# Altium PCB VESC_DEVICE_75100.PcbDoc (part 1 of 3) (continued)
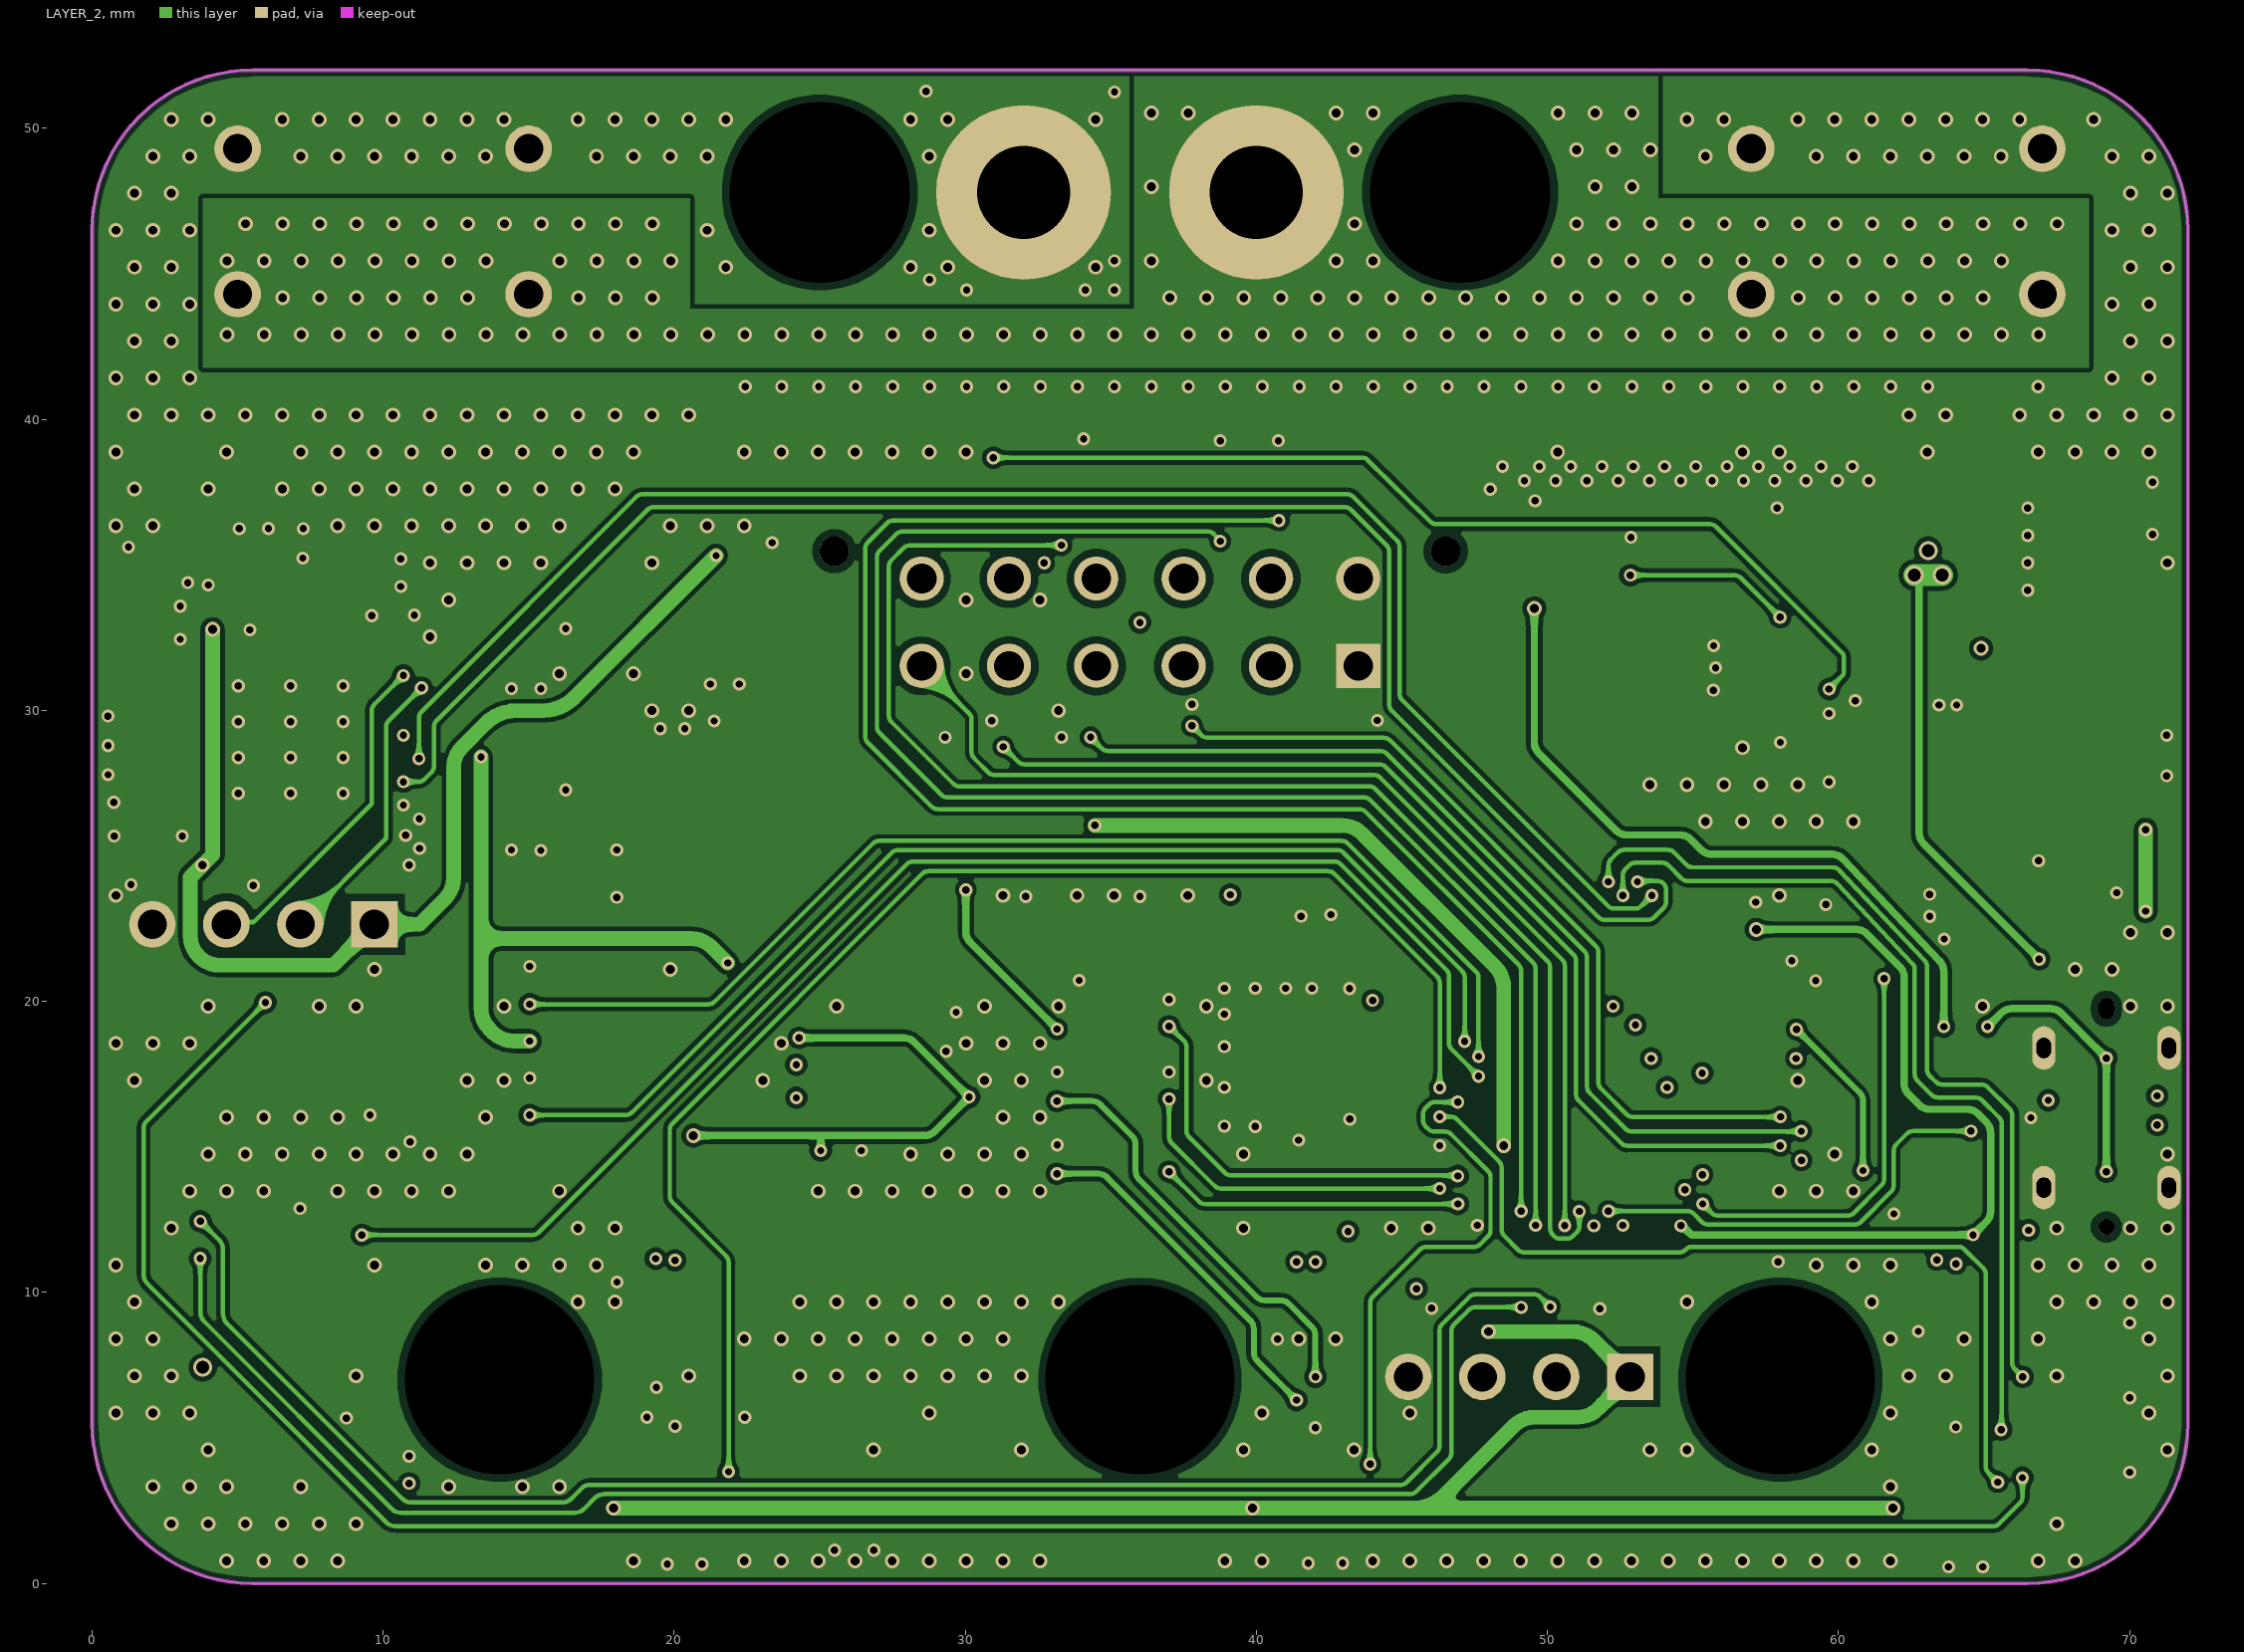
[diagram p3: LAYER_2]
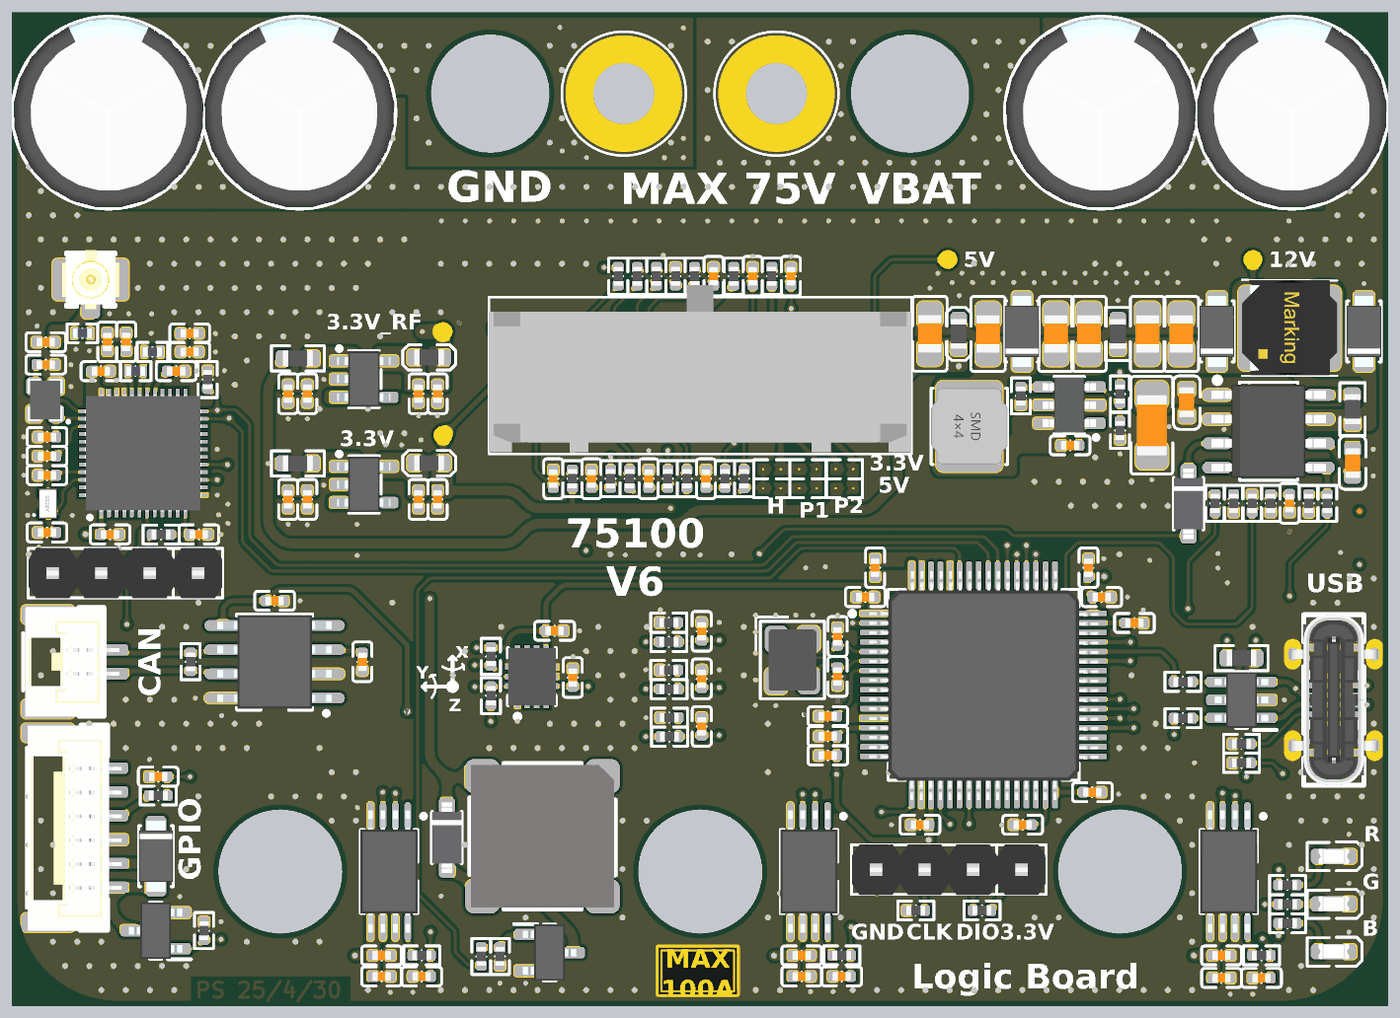
[diagram p6: 3D render of the assembled board from above, using the file's embedded part models]
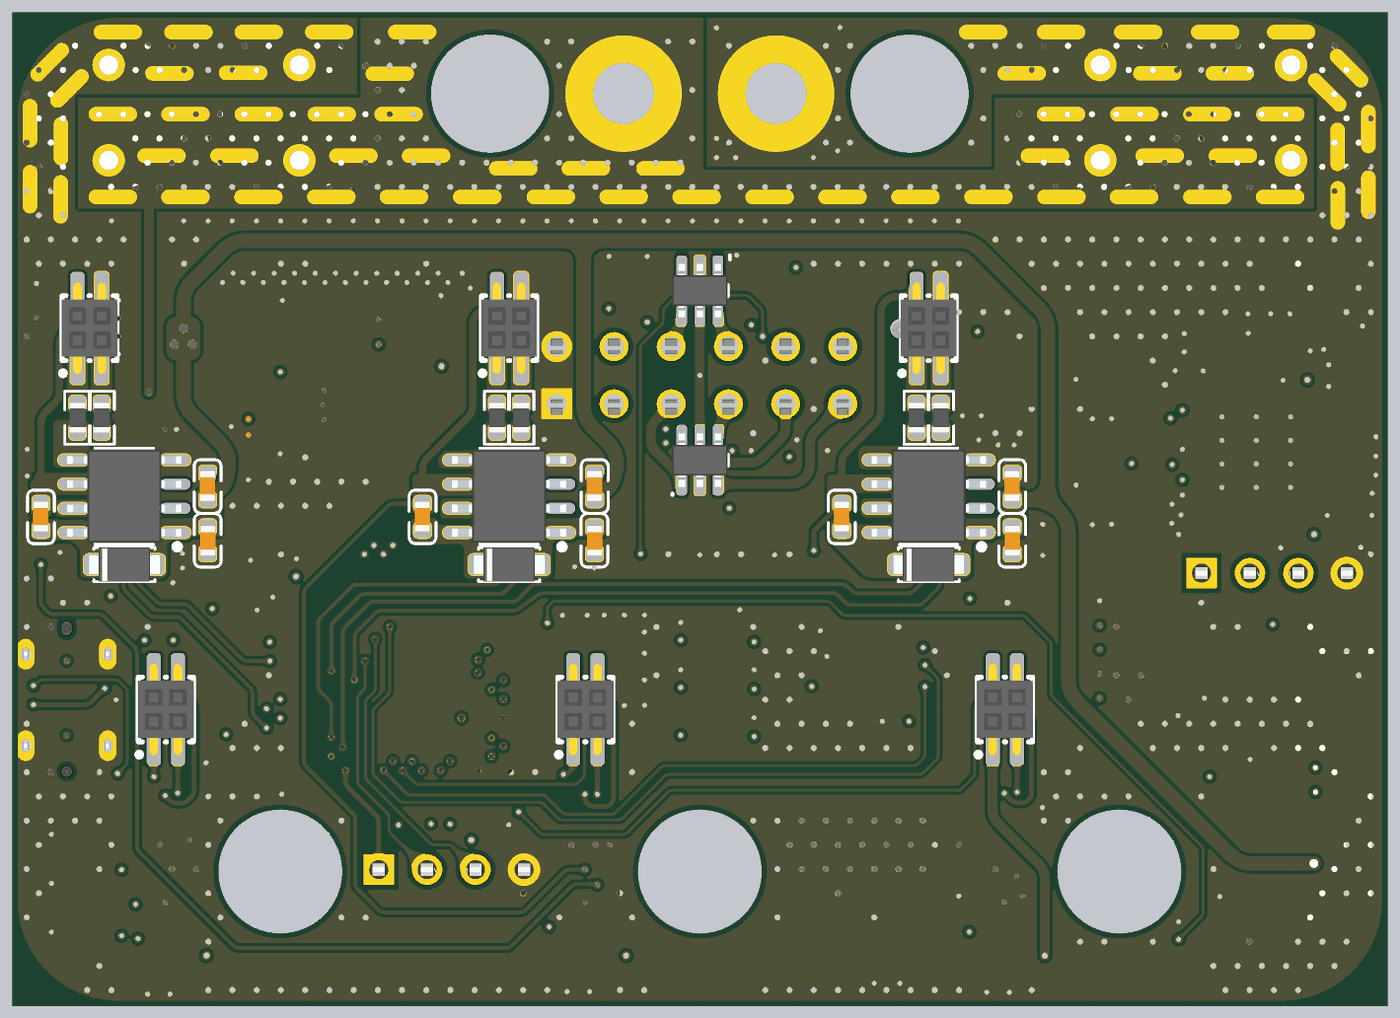
[diagram p7: 3D render of the assembled board from below, using the file's embedded part models]

## Layer stack, top to bottom
Top Solder: solder mask 0.0102, Solder Resist, Dk 3.5
TOP: signal copper 0.0305
Dielectric 1: core 0.2032, FR-4, Dk 4.5
LAYER_1: signal copper 0.0305
Dielectric2: core 1.05, Core-042, Dk 4.6
LAYER_2: signal copper 0.0305
Dielectric3: core 0.2032, FR-4, Dk 4.5
BOTTOM: signal copper 0.0305
Bottom Solder: solder mask 0.0102, Solder Resist, Dk 3.5

## Board outline
0,5.5 0,46.5 cw(c5.5,46.5) 5.5,52 66.5,52 cw(c66.5,46.5) 72,46.5 72,5.5 cw(c66.5,5.5) 66.5,0 5.5,0 cw(c5.5,5.5)

## Design rules (kind name [scope] priority, off if disabled: settings)
BoardOutlineClearance [All] p1: gap=0.254 ignorepadtopadclearanceinfootprint=FALSE except(0: Arc-SplitContinuation Track-SplitContinuation SMDPad-SplitContinuation THPad-SplitContinuation Via-SplitContinuation Fill-SplitContinuation Poly-SplitContinuation Region-SplitContinuation Text-SplitContinuation; 0.051: Arc-OutlineEdge Track-OutlineEdge SMDPad-OutlineEdge THPad-OutlineEdge Via-OutlineEdge Fill-OutlineEdge Poly-OutlineEdge Region-OutlineEdge Text-OutlineEdge)
Clearance Clearance_1 [All vs (OnLayer('BOTTOM') AND InNamedPolygon('PGND_L04_P058') AND InNamedPolygon('PGND_L04_P058'))] p1: gap=0.152 ignorepadtopadclearanceinfootprint=FALSE
Clearance [All] p2: gap=0.152 ignorepadtopadclearanceinfootprint=FALSE except(0.254: THPad-Fill THPad-Poly THPad-Region Fill-Hole Poly-Hole Region-Hole)
HoleSize [All] p1: absolutevalues=TRUE maxlimit=25.4 minlimit=0.025 maxpercent=80.000 minpercent=20.000
MinimumSolderMaskSliver [All] p1: minsoldermaskwidth=0.051
PlaneConnect [All] p1: planeconnectstyle=Direct reliefexpansion=0.508 reliefentries=4 reliefconductorwidth=0.254 reliefairgap=0.254
PolygonConnect [All] p1: connectstyle=Direct reliefconductorwidth=0.254 reliefentries=4 polygonreliefangle="90 Angle" airgapwidth=0.254
RoutingVias [All] p1: holewidth=0.25 width=0.45 viastyle="Through Hole" minholewidth=0.25 minwidth=0.45 maxholewidth=0.711 maxwidth=1.27
ShortCircuit ShortCircuit_1 [InComponent('JP1','JP2')] p1: allowed=TRUE
ShortCircuit [All] p2: allowed=FALSE
SilkToSilkClearance [All] p1: silktosilkclearance=0.051
SilkToSolderMaskClearance [IsPad] p1: minsilkscreentomaskgap=0.025 clearancetoexposedcopper=TRUE
SolderMaskExpansion [All] p1: expansion=0.051 istentingtop=FALSE
SupplyNets "Schematic Supply Nets_4" [InNet('SHC_G')] p1: voltage=0.000
SupplyNets "Schematic Supply Nets_13" [InNet('SHB_G')] p2: voltage=0.000
SupplyNets "Schematic Supply Nets_12" [InNet('SHA_G')] p3: voltage=0.000
SupplyNets "Schematic Supply Nets_10" [InNet('VBAT')] p4: voltage=0.000
SupplyNets "Schematic Supply Nets_7" [InNet('GND')] p5: voltage=0.000
SupplyNets "Schematic Supply Nets_6" [InNet('3V3_RF')] p6: voltage=0.000
SupplyNets "Schematic Supply Nets_5" [InNet('5V')] p7: voltage=0.000
SupplyNets "Schematic Supply Nets_2" [InNet('12V')] p8: voltage=0.000
SupplyNets "Schematic Supply Nets" [InNet('3V3')] p9: voltage=0.000
Width [All] p1: maxlimit=2.54 minlimit=0.152 preferedwidth=0.254
24 further rules are at their usual default settings.

## Classes and differential pairs
component class Buzzer: D14 Q2 R61 R66 U16
component class BMI160: C73 C74 R34 R35 U13
component class I&O: C75 C76 C77 C78 C79 C80 C81 C82 C83 D11 D12 D13 J9 J10 J11 J12 Q1 R39 R42 R43 R44 R46 R47 R49 R50 R51 R53 R54 R57 R61 R62 R63 R64 R65 U14 U15
component class Power: C54 C55 C56 C57 C58 C59 C60 C61 C62 C63 C64 C65 C66 C67 C68 C69 C70 C71 C72 D7 D8 D9 D10 L4 L5 L6 L7 L8 R12 R15 R25 R26 R28 R29 R31 R32 R33 R34 R35 R36 R39 TP8 TP9 TP10 TP11 U9 U10 U11 U12
component class NRF51822: C40 C41 C42 C43 C44 C45 C46 C47 C48 C49 C50 C51 C52 C53 D6 J8 L1 L2 L3 R12 R22 R23 RF1 U8 Y2 Y3
component class Connector: C35 C36 C37 C38 C39 J2 J3 J4 J5 J6 J7 R15 R20 TP1 TP2 TP3 TP4 TP5 TP6 TP7
component class Gate_Driver: C14 C15 C16 C17 C18 C19 C20 C21 C22 C23 C24 C25 C26 C27 C28 C29 C30 C31 C32 C33 C34 D3 D4 D5 R3 R5 R6 R7 R8 R10 R11 R12 R13 R14 R15 U2 U3 U4 U5 U6 U7
component class STM32F405RGT6: C1 C2 C3 C4 C5 C6 C7 C8 C9 C10 C11 C12 C13 D1 D2 J1 R1 R2 R3 R4 U1 Y1

## Components (designator, comment, footprint, x,y, rotation, side; value= is the part's Value field where it differs from the comment)
C1 "15pF/50V" C0402 43.2,19.329 r270 top
C2 "15pF/50V" C0402 43.2,17.229 r90 top
C3 "100nF/50V" C0402 42.691,15.15 r180 top
C4 "100nF/6.3V" C0402 45.168,22.936 r270 top
C5 "2.2uF/6.3V" C0402 56.347,22.936 r270 top
C6 "2.2uF/6.3V" C0402 47.52,9.453 r0 top
C7 "2.2uF/6.3V" C0402 44.653,21.395 r0 top
C8 "2.2uF/6.3V" C0402 42.691,14.099 r0 top
C9 "100nF/6.3V" C0402 42.691,13.087 r0 top
C10 "2.2uF/6.3V" C0402 57.042,21.395 r180 top
C11 "2.2uF/6.3V" C0402 56.548,11.161 r180 top
C12 "2.2uF/6.3V" C0402 52.9,9.453 r180 top
C13 "2.2uF/6.3V" C0402 58.755,20.038 r0 top
C14 "10uF/16V" C0603 61.808,27.198 r270 bottom
C15 "100nF/50V" C0603 61.808,24.372 r90 bottom
C16 "10uF/50V" C0603 70.55,25.6 r270 bottom
C17 "10nF/50V" C0402 36.08,19.6 r270 top
C18 "10uF/16V" C0603 41.514,27.198 r270 bottom
C19 "100nF/50V" C0603 41.528,24.372 r90 bottom
C20 "10nF/50V" C0402 36.08,17.107 r270 top
C21 "10uF/50V" C0603 50.539,25.6 r270 bottom
C22 "10uF/16V" C0603 19.615,24.372 r90 bottom
C23 "100nF/50V" C0603 19.615,27.198 r270 bottom
C24 "10nF/50V" C0402 36.08,14.614 r270 top
C25 "10uF/50V" C0603 28.554,25.6 r270 bottom
C26 "10nF/50V" C0402 21.409,1.5 r0 top
C27 "2.2uF/6.3V" C0402 41.319,2.6 r180 top
C28 "100nF/50V" C0402 63.319,1.42 r180 top
C29 "10nF/50V" C0402 43.42,1.5 r0 top
C30 "2.2uF/6.3V" C0402 19.307,2.6 r180 top
C31 "100nF/50V" C0402 41.319,1.5 r180 top
C32 "10nF/50V" C0402 65.416,1.42 r0 top
C33 "2.2uF/6.3V" C0402 63.319,2.6 r180 top
C34 "100nF/50V" C0402 19.307,1.5 r180 top
C35 "100nF/50V" C0402 66.885,26.315 r90 top
C36 "680uF" CAP-TH_10.0X17MM 5,46.8 r90 top
C37 "680uF" CAP-TH_10.0X17MM 15,46.8 r90 top
C38 "680uF" CAP-TH_10.0X17MM 57,46.8 r90 top
C39 "680uF" CAP-TH_10.0X17MM 67,46.8 r90 top
C40 "12pF/50V" C0402 1.711,33.588 r0 top
C41 "12pF/50V" C0402 1.776,29.788 r180 top
C42 "12pF/50V" C0402 1.776,27.788 r180 top
C43 "100nF/50V" C0402 1.776,28.788 r180 top
C44 "12pF/50V" C0402 1.776,24.784 r180 top
C45 "1nF/50V" C0402 4.599,33.246 r180 top
C46 "100nF/50V" C0402 5.081,24.684 r180 top
C47 "3.9pF/50V" C0402 5.921,34.781 r270 top
C48 "1pF/50V" C0402 4.937,34.781 r90 top
C49 "1.5pF/50V" C0402 1.71,34.767 r0 top
C50 "47nF/50V" C0402 8.541,33.246 r180 top
C51 "100nF/50V" C0402 9.731,24.684 r180 top
C52 "2.2nF/50V" C0402 9.251,35.227 r180 top
C53 "1pF/50V" C0402 9.251,34.256 r180 top
C54 "100nF/100V" C0603 70.186,28.444 r90 top
C55 "2.2uF/100V" C1206 59.674,30.408 r270 top
C56 "100nF/100V" C0603 61.498,31.595 r270 top
C57 "22uF/16V" C0805 59.445,35.195 r90 top
C58 "100nF/16V" C0805 61.213,35.195 r90 top
C59 "2.2uF/6.3V" C0402 15.416,32.061 r270 top
C60 "100nF/6.3V" C0402 14.409,32.061 r270 top
C61 "2.2uF/6.3V" C0402 21.24,32.061 r270 top
C62 "100nF/6.3V" C0402 22.239,32.061 r270 top
C63 "10nF/50V" C0402 36.705,38.221 r90 top
C64 "10nF/50V" C0402 55.388,29.352 r0 top
C65 "22uF/16V" C0805 56.374,35.198 r90 top
C66 "100nF/16V" C0805 54.644,35.195 r90 top
C67 "22uF/16V" C0805 51.086,35.195 r90 top
C68 "22uF/16V" C0805 48.035,35.205 r90 top
C69 "2.2uF/6.3V" C0402 14.409,26.52 r270 top
C70 "100nF/6.3V" C0402 15.416,26.52 r270 top
C71 "2.2uF/6.3V" C0402 21.24,26.52 r270 top
C72 "100nF/6.3V" C0402 22.239,26.52 r270 top
C73 "100nF/50V" C0402 28.371,19.628 r0 top
C74 "2.2uF/6.3V" C0402 29.325,17.175 r90 top
C75 "100nF/50V" C0402 28.304,27.605 r90 top
C76 "100nF/50V" C0402 7.604,11.975 r0 top
C77 "100nF/50V" C0402 36.304,27.605 r90 top
C78 "100nF/50V" C0402 33.304,27.605 r90 top
C79 "100nF/50V" C0402 30.304,27.605 r90 top
C80 "100nF/50V" C0402 38.756,38.221 r270 top
C81 "100nF/50V" C0402 40.756,38.221 r270 top
C82 "2.2uF/6.3V" C0402 18.3,18 r90 top
C83 "2.2uF/6.3V" C0402 13.7,21.2 r0 top
D1 "LED_GREEN" LED0603 69.2,5.3 r180 top
D2 "LED_RED" LED0603 69.2,7.8 r180 top
D3 "DSK310" SOD-123F 66.178,23.1 r180 bottom
D4 "DSK310" SOD-123F 46,23.1 r180 bottom
D5 "DSK310" SOD-123F 24,23.1 r180 bottom
D6 "LED_GREEN" LED0603 69.2,2.8 r180 top
D7 "DSK310" SOD-123F 70.786,35.327 r90 top
D8 "SMF12A" SOD-123F 63.079,35.327 r90 top
D9 "1N4148W" 1N4148WVGS08 61.589,26.291 r270 top
D10 "SMF5V0A" SOD-123F 52.865,35.327 r90 top
D11 "DSK310" SOD-123F 7.485,7.803 r270 top
D12 "SRV05-4HTG" SOT95P280X145-6N 36,28.575 r90 bottom
D13 "SRV05-4HTG" SOT95P280X145-6N 36,37.465 r270 bottom
D14 "1N4148W" 1N4148WVGS08 22.725,8.775 r270 top
J1 "4 HEADER" ISP-4P-2_54 49.03,7.1 r180 top
J2 "PZ127-2-02-S" HDR-SMD_4P-P1.27-V-M-R2-C2-LS5.3 20,15.5 r180 bottom
J3 "PZ127-2-02-S" HDR-SMD_4P-P1.27-V-M-R2-C2-LS5.3 24,35.5 r180 bottom
J4 "PZ127-2-02-S" HDR-SMD_4P-P1.27-V-M-R2-C2-LS5.3 42,15.5 r180 bottom
J5 "PZ127-2-02-S" HDR-SMD_4P-P1.27-V-M-R2-C2-LS5.3 46,35.5 r180 bottom
J6 "PZ127-2-02-S" HDR-SMD_4P-P1.27-V-M-R2-C2-LS5.3 64,15.5 r180 bottom
J7 "PZ127-2-02-S" HDR-SMD_4P-P1.27-V-M-R2-C2-LS5.3 68,35.5 r180 bottom
J8 "4 HEADER" ISP-4P-2_54 5.883,22.65 r180 top
J9 "1.25-6PWTDK" BM06BGHSTBTLFSN 3.5,9.3 r270 top
J10 "43045-1212" 43045-12YY_121314 36,33.5 r0 top locked
J11 "1.25-2PWTDK" BM02B-GHS-TBT_1 3.5,18 r270 top
J12 "TYPE-C 16PLC-H10.0" USB-C-SMD_SOUHAN_TYPE-C-16PLT-H6.5 69.2,16 r90 top locked
L1 "3.3nH" LQG15WH0N7B02D 3.627,35.226 r0 top
L2 "4.7nH" LQG15WH0N7B02D 6.419,33.246 r180 top
L3 "27nH" LQG15WH0N7B02D 7.297,34.256 r180 top
L4 "47uH_1A" L5040 66.886,35.495 r180 top
L5 "PZ1608D102" L0603 21.793,33.961 r0 top
L6 "2.2uH_2A" L4020 50.107,30.349 r90 top
L7 "PZ1608D102" L0603 49.548,35.199 r270 top
L8 "PZ1608D102" L0603 21.793,28.42 r0 top
Q1 "AO3400A" SOT95P280X125-3N 7.463,3.898 r180 top
Q2 "AO3400A" SOT95P280X125-3N 28.107,2.748 r0 top
R1 "10K/1%" R0402 50.768,4.959 r0 top
R2 "10K/1%" R0402 66.778,5.283 r0 top
R3 "10K/1%" R0402 47.3,4.959 r180 top
R4 "10K/1%" R0402 66.778,6.295 r0 top
R5 "2.2R/1%" R0603 67.365,30.8 r270 bottom
R6 "2.2R/1%" R0603 68.635,30.8 r270 bottom
R7 "56K/1%" R0402 34.36,19.046 r180 top
R8 "2.2K/1%" R0402 34.357,20.06 r0 top
R9 "2.2R/1%" R0603 45.365,30.8 r270 bottom
R10 "2.2R/1%" R0603 46.635,30.8 r270 bottom
R11 "56K/1%" R0402 34.369,16.567 r180 top
R12 "2.2K/1%" R0402 34.357,17.567 r0 top
R13 "2.2R/1%" R0603 23.365,30.8 r270 bottom
R14 "56K/1%" R0402 34.392,14.074 r180 top
R15 "2.2K/1%" R0402 34.385,15.074 r0 top
R16 "2.2R/1%" R0603 24.635,30.8 r270 bottom
R17 "100R/1%" R0402 21.409,2.6 r180 top
R18 "100R/1%" R0402 43.42,2.6 r180 top
R19 "100R/1%" R0402 65.416,2.6 r180 top
R20 "56K/1%" R0402 64.924,26.31 r90 top
R21 "2.2K/1%" R0402 65.893,26.31 r90 top
R22 "1k/1%" R0402 66.778,4.286 r180 top
R23 "1k/1%" R0402 7.75,24.675 r180 top
R24 "1k/1%" R0402 10.193,32.802 r270 top
R25 "51K/1%" R0402 62.986,26.31 r90 top
R26 "51K/1%" R0402 63.955,26.31 r90 top
R27 "0.1R/1%" R0603 70.186,31.248 r90 top
R28 "100R/1%" R0603 14.916,33.913 r0 top
R29 "9.1K/1%" R0402 68.861,26.308 r270 top
R30 "100K/1%" R0402 32.708,38.221 r270 top
R31 "47K/1%" R0402 33.708,38.221 r270 top
R32 "1K/1%" R0402 67.892,26.308 r90 top
R33 "10K/1%" R0402 35.71,38.221 r90 top
R34 "30K/1%" R0402 34.708,38.221 r270 top
R35 "100R/1%" R0603 57.891,35.195 r270 top
R36 "100K/1%" R0402 52.804,31.944 r270 top
R37 "82K/1%" R0402 58.001,32.048 r90 top
R38 "100R/1%" R0603 14.916,28.4 r0 top
R39 "11K/1%" R0402 58.001,30.135 r90 top
R40 "1K/1%" R0402 25.032,18.285 r90 top
R41 "1K/1%" R0402 25.032,16.225 r270 top
R42 "0R/1%" "SOLDER BRIDGE_0402" 39.761,28.1 r0 top
R43 "NC_0R/1%" "SOLDER BRIDGE_0402" 39.761,27.101 r0 top
R44 "10K/1%" R0402 29.304,27.605 r270 top
R45 "4.7K/1%" R0402 38.304,27.605 r270 top
R46 "4.7K/1%" R0402 35.304,27.605 r270 top
R47 "4.7K/1%" R0402 32.304,27.605 r270 top
R48 "0R/1%" R0402 31.708,38.221 r270 top
R49 "100R/1%" R0402 7.606,10.991 r180 top
R50 "4.7K/1%" R0402 31.304,27.605 r90 top
R51 "4.7K/1%" R0402 34.304,27.605 r90 top
R52 "100R/1%" R0402 37.756,38.221 r90 top
R53 "4.7K/1%" R0402 37.304,27.605 r90 top
R54 "100R/1%" R0402 39.756,38.221 r90 top
R55 "0R/1%" "SOLDER BRIDGE_0402" 41.642,27.101 r0 top
R56 "NC_0R/1%" "SOLDER BRIDGE_0402" 43.565,27.1 r0 top
R57 "NC_0R/1%" "SOLDER BRIDGE_0402" 41.642,28.1 r0 top
R58 "0R/1%" "SOLDER BRIDGE_0402" 43.565,28.1 r0 top
R59 "2.2k/1%" R0402 10,3.9 r90 top
R60 "22R/1%" R0402 61.3,15.041 r0 top
R61 "22R/1%" R0402 61.3,16.95 r0 top
R62 "120R/1%" R0402 9.3,18 r90 top
R63 "0R/1%" R0603 64.368,18.194 r180 top
R64 "5.1K/1%" R0402 64.368,13.7 r180 top
R65 "5.1K/1%" R0402 64.368,12.7 r180 top
R66 "2.2K/1%" R0402 24.532,2.548 r270 top
R67 "2.2K/1%" R0402 25.507,2.548 r90 top
RF1 "BWIPX-1-001E" IPEX-SMD_BWIPX-1-001E 4.061,37.283 r90 top
TP1 "TEST POINT" HOLE-4MM_M 40,47.8 r0 top
TP2 "TEST POINT" HOLE-4MM_M 32,47.8 r0 top
TP3 "TEST POINT" HOLE-6.2MM_M#1 25,47.8 r0 top
TP4 "TEST POINT" HOLE-6.2MM_M#1 47,47.8 r0 top
TP5 "TEST POINT" HOLE-6.2MM_M#2 58,7 r0 top locked
TP6 "TEST POINT" HOLE-6.2MM_M#2 36,7 r0 top locked
TP7 "TEST POINT" HOLE-6.2MM_M#2 14,7 r0 top
TP8 "TEST POINT" TEST_POINT_100_SMD 64.961,39.1 r0 top
TP9 "TEST POINT" TEST_POINT_100_SMD 22.529,35.318 r180 top
TP10 "TEST POINT" TEST_POINT_100_SMD 48.984,39.1 r90 top
TP11 "TEST POINT" TEST_POINT_100_SMD 22.529,29.888 r0 top
U1 "STM32F405RGT6" LQFP64_10X10_05P 50.856,16.789 r270 top locked
U2 "EG3112" SOIC-8_L4.9-W3.9-P1.27-LS6.0-BL 66.178,26.684 r90 bottom
U3 "EG3112" SOIC-8_L4.9-W3.9-P1.27-LS6.0-BL 46,26.684 r90 bottom
U4 "EG3112" SOIC-8_L4.9-W3.9-P1.27-LS6.0-BL 24,26.684 r90 bottom
U5 "INA240A1PWR" TSSOP-8 19.702,7 r180 top
U6 "INA240A1PWR" TSSOP-8 41.702,7 r180 top
U7 "INA240A1PWR" TSSOP-8 63.702,7 r180 top locked
U8 "nRF51822-QFAA-R" QFN40P600X600X95-49N-D 6.821,28.946 r90 top
U9 "EG1192L" ESOP-8_L4.9-W3.9-P1.27-LS6.0-BL-EP-1 65.786,30.095 r270 top
U10 "XC6219B332MR" SOT-23-5 18.383,32.83 r180 top
U11 "LP6460B6F" SOT-23-6 55.346,31.465 r0 top
U12 "XC6219B332MR" SOT-23-5 18.383,27.3 r180 top
U13 "BMI160" PQFN50P300X250X88-14N 27.179,17.225 r90 top
U14 "USBLC6-2SC6" SOT95P280X145-6N 64.368,16 r180 top
U15 "TJA1042T/1J" SOP-8 13.7,18 r90 top
U16 "2.731kHz" BUZ-SMD_4P-L7.5-W7.5-BR 27.739,8.85 r180 top
Y1 "8Mhz" CRYSTAL-SMD_4P-L3.2-W2.5-BL 40.836,18.095 r270 top
Y2 "16Mhz" Q22FA12800400 1.676,31.728 r90 top
Y3 "32.768Khz" ABS0532768KHZ9T 1.821,26.288 r90 top
